# KiCad board panel.kicad_pcb (continued)
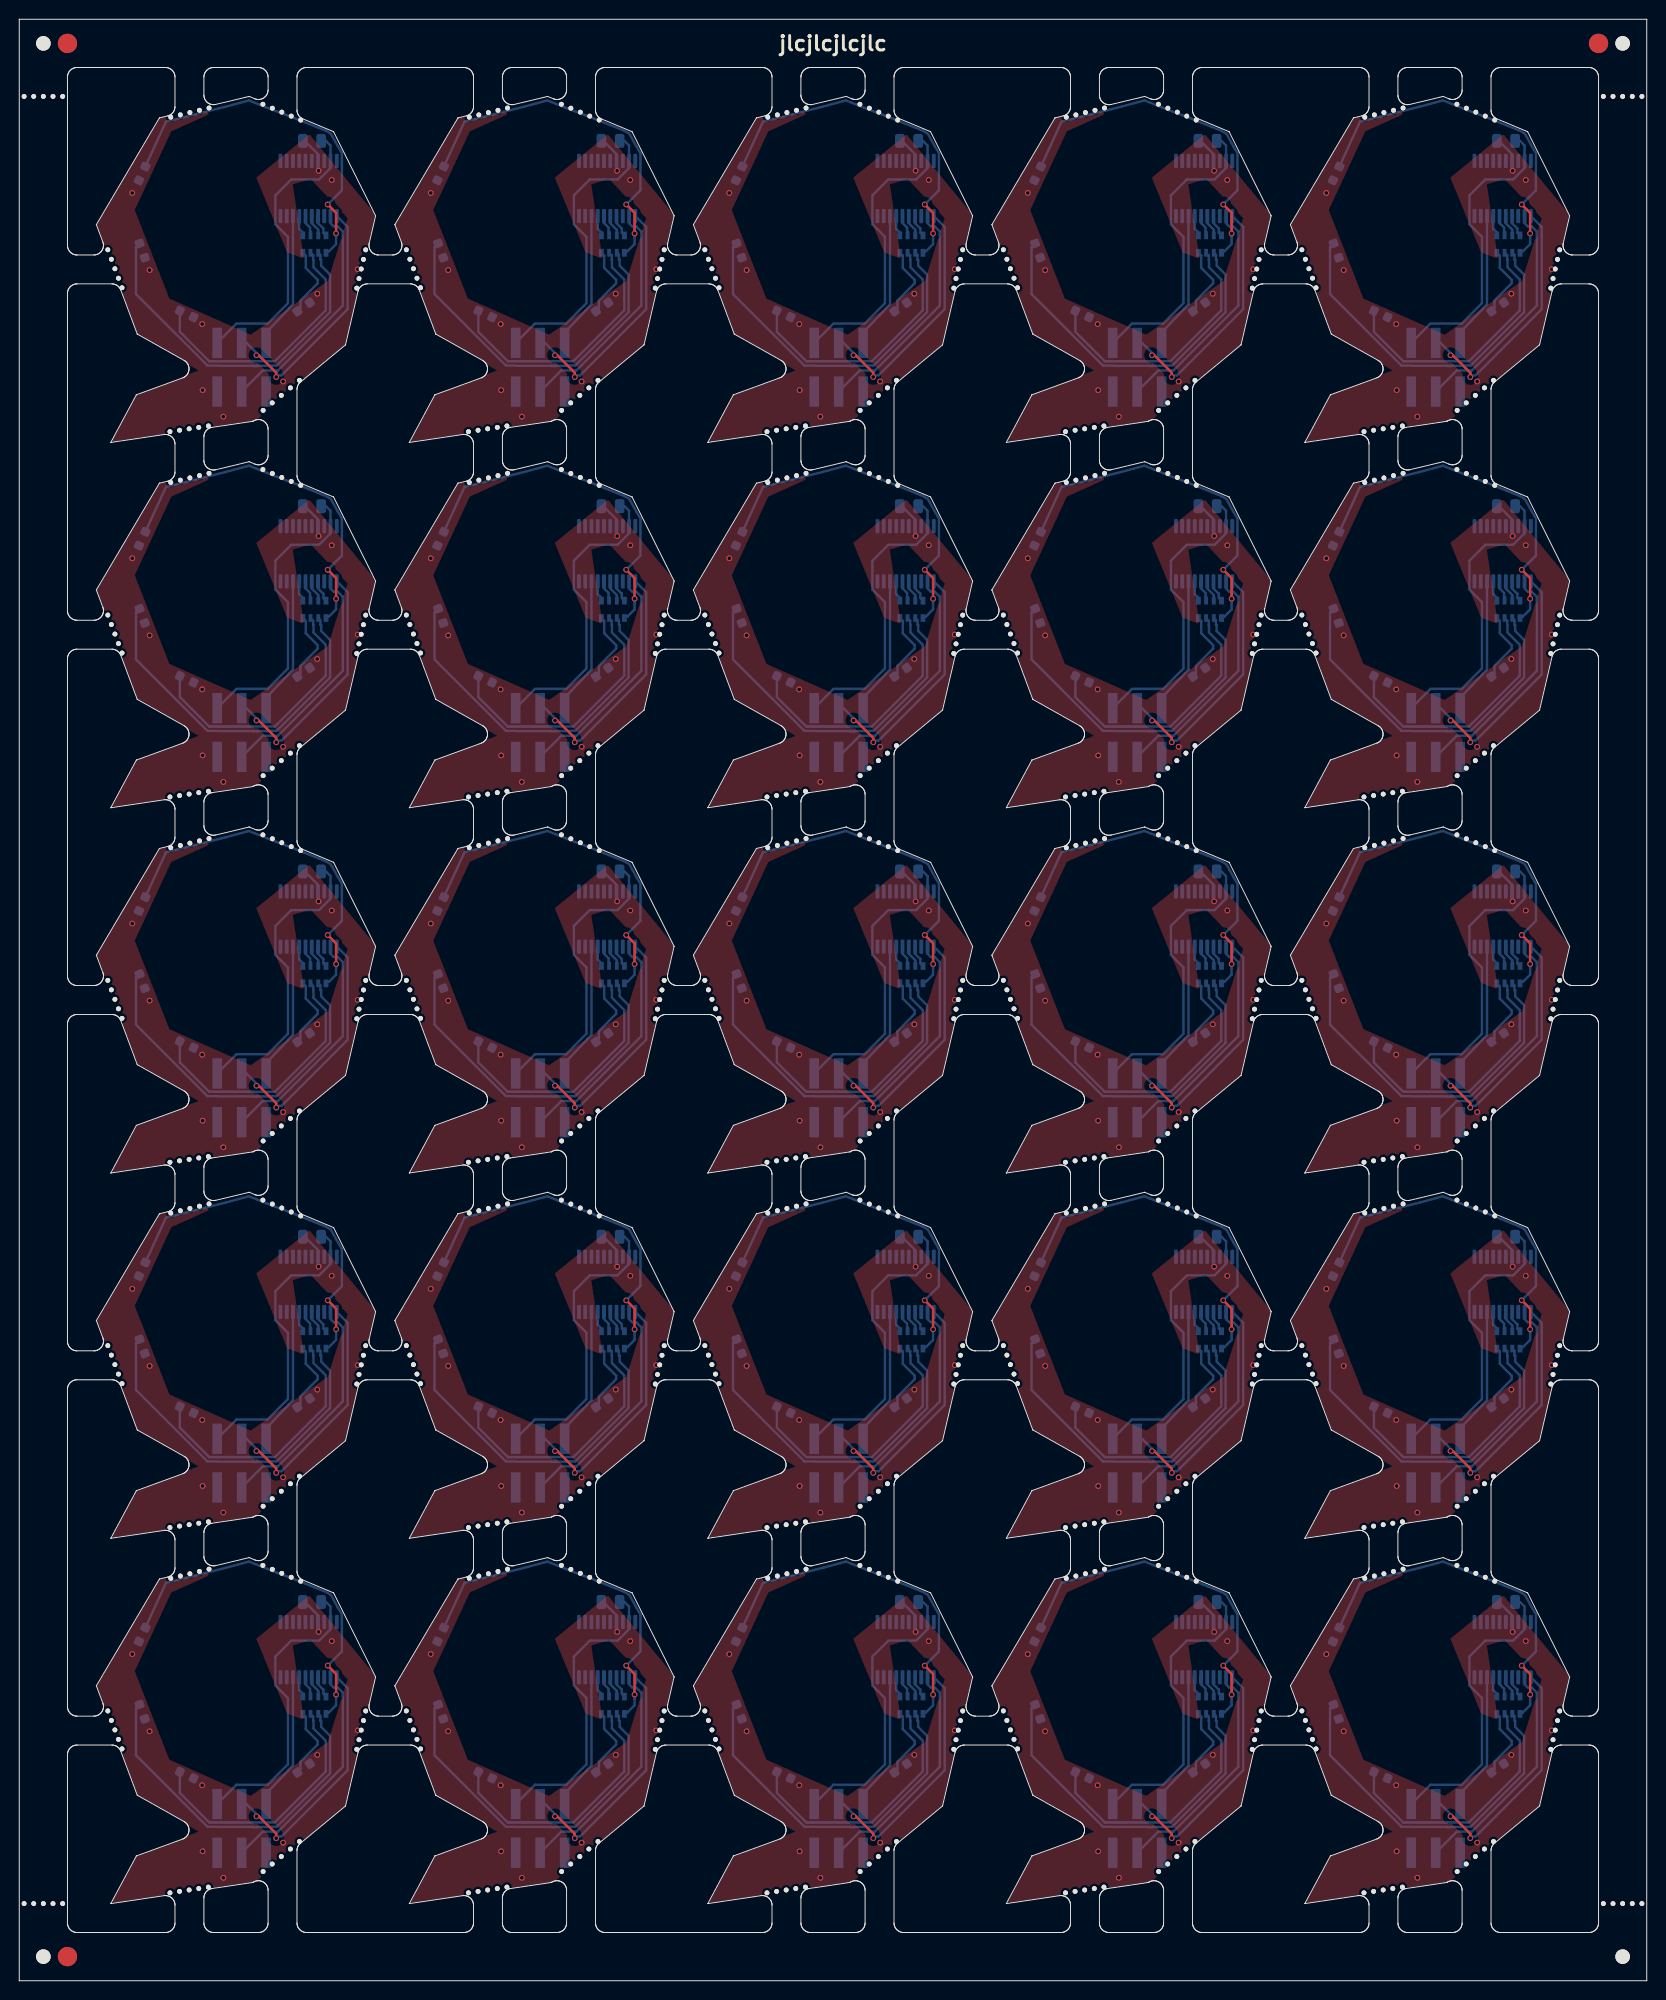
[diagram p0: board, top side]
## Placement (name value [footprint] x y rotation side) (continued)
KiKit_MB_28_5  -  [NPTH]  153.11 192.98 0 top
KiKit_MB_29_1  -  [NPTH]  143.53 161.25 0 top
KiKit_MB_29_2  -  [NPTH]  142.54 161.11 0 top
KiKit_MB_29_3  -  [NPTH]  141.54 160.96 0 top
KiKit_MB_29_4  -  [NPTH]  140.54 160.81 0 top
KiKit_MB_29_5  -  [NPTH]  139.54 160.66 0 top
KiKit_MB_30_1  -  [NPTH]  152.99 165.98 0 top
KiKit_MB_30_2  -  [NPTH]  152.04 165.2 0 top
KiKit_MB_30_3  -  [NPTH]  151.1 164.43 0 top
KiKit_MB_30_4  -  [NPTH]  150.16 163.65 0 top
KiKit_MB_30_5  -  [NPTH]  149.22 162.87 0 top
KiKit_MB_31_1  -  [NPTH]  10.66 137.7 0 top
KiKit_MB_31_2  -  [NPTH]  10.29 138.69 0 top
KiKit_MB_31_3  -  [NPTH]  9.92 139.67 0 top
KiKit_MB_31_4  -  [NPTH]  9.56 140.66 0 top
KiKit_MB_31_5  -  [NPTH]  9.19 141.64 0 top
KiKit_MB_32_1  -  [NPTH]  35.95 141.63 0 top
KiKit_MB_32_2  -  [NPTH]  35.72 140.64 0 top
KiKit_MB_32_3  -  [NPTH]  35.49 139.65 0 top
KiKit_MB_32_4  -  [NPTH]  35.25 138.65 0 top
KiKit_MB_32_5  -  [NPTH]  35.02 137.66 0 top
KiKit_MB_33_1  -  [NPTH]  15.72 155.39 0 top
KiKit_MB_33_2  -  [NPTH]  16.71 155.63 0 top
KiKit_MB_33_3  -  [NPTH]  17.71 155.87 0 top
KiKit_MB_33_4  -  [NPTH]  18.7 156.11 0 top
KiKit_MB_33_5  -  [NPTH]  19.69 156.34 0 top
KiKit_MB_34_1  -  [NPTH]  25.28 156.73 0 top
KiKit_MB_34_2  -  [NPTH]  26.26 156.32 0 top
KiKit_MB_34_3  -  [NPTH]  27.24 155.91 0 top
KiKit_MB_34_4  -  [NPTH]  28.22 155.5 0 top
KiKit_MB_34_5  -  [NPTH]  29.2 155.09 0 top
KiKit_MB_35_1  -  [NPTH]  19.62 123.37 0 top
KiKit_MB_35_2  -  [NPTH]  18.63 123.22 0 top
KiKit_MB_35_3  -  [NPTH]  17.63 123.07 0 top
KiKit_MB_35_4  -  [NPTH]  16.63 122.92 0 top
KiKit_MB_35_5  -  [NPTH]  15.64 122.77 0 top
KiKit_MB_36_1  -  [NPTH]  29.08 128.1 0 top
KiKit_MB_36_2  -  [NPTH]  28.13 127.32 0 top
KiKit_MB_36_3  -  [NPTH]  27.19 126.54 0 top
KiKit_MB_36_4  -  [NPTH]  26.25 125.76 0 top
KiKit_MB_36_5  -  [NPTH]  25.31 124.98 0 top
KiKit_MB_37_1  -  [NPTH]  41.64 137.7 0 top
KiKit_MB_37_2  -  [NPTH]  41.27 138.69 0 top
KiKit_MB_37_3  -  [NPTH]  40.9 139.67 0 top
KiKit_MB_37_4  -  [NPTH]  40.53 140.66 0 top
KiKit_MB_37_5  -  [NPTH]  40.17 141.64 0 top
KiKit_MB_38_1  -  [NPTH]  66.93 141.63 0 top
KiKit_MB_38_2  -  [NPTH]  66.69 140.64 0 top
KiKit_MB_38_3  -  [NPTH]  66.46 139.65 0 top
KiKit_MB_38_4  -  [NPTH]  66.23 138.65 0 top
KiKit_MB_38_5  -  [NPTH]  66 137.66 0 top
KiKit_MB_39_1  -  [NPTH]  46.7 155.39 0 top
KiKit_MB_39_2  -  [NPTH]  47.69 155.63 0 top
KiKit_MB_39_3  -  [NPTH]  48.68 155.87 0 top
KiKit_MB_39_4  -  [NPTH]  49.68 156.11 0 top
KiKit_MB_39_5  -  [NPTH]  50.67 156.34 0 top
KiKit_MB_40_1  -  [NPTH]  56.26 156.73 0 top
KiKit_MB_40_2  -  [NPTH]  57.24 156.32 0 top
KiKit_MB_40_3  -  [NPTH]  58.22 155.91 0 top
KiKit_MB_40_4  -  [NPTH]  59.2 155.5 0 top
KiKit_MB_40_5  -  [NPTH]  60.18 155.09 0 top
KiKit_MB_41_1  -  [NPTH]  50.6 123.37 0 top
KiKit_MB_41_2  -  [NPTH]  49.6 123.22 0 top
KiKit_MB_41_3  -  [NPTH]  48.61 123.07 0 top
KiKit_MB_41_4  -  [NPTH]  47.61 122.92 0 top
KiKit_MB_41_5  -  [NPTH]  46.61 122.77 0 top
KiKit_MB_42_1  -  [NPTH]  60.05 128.1 0 top
KiKit_MB_42_2  -  [NPTH]  59.11 127.32 0 top
KiKit_MB_42_3  -  [NPTH]  58.17 126.54 0 top
KiKit_MB_42_4  -  [NPTH]  57.23 125.76 0 top
KiKit_MB_42_5  -  [NPTH]  56.28 124.98 0 top
KiKit_MB_43_1  -  [NPTH]  72.62 137.7 0 top
KiKit_MB_43_2  -  [NPTH]  72.25 138.69 0 top
KiKit_MB_43_3  -  [NPTH]  71.88 139.67 0 top
KiKit_MB_43_4  -  [NPTH]  71.51 140.66 0 top
KiKit_MB_43_5  -  [NPTH]  71.14 141.64 0 top
KiKit_MB_44_1  -  [NPTH]  97.9 141.63 0 top
KiKit_MB_44_2  -  [NPTH]  97.67 140.64 0 top
KiKit_MB_44_3  -  [NPTH]  97.44 139.65 0 top
KiKit_MB_44_4  -  [NPTH]  97.21 138.65 0 top
KiKit_MB_44_5  -  [NPTH]  96.98 137.66 0 top
KiKit_MB_45_1  -  [NPTH]  77.67 155.39 0 top
KiKit_MB_45_2  -  [NPTH]  78.67 155.63 0 top
KiKit_MB_45_3  -  [NPTH]  79.66 155.87 0 top
KiKit_MB_45_4  -  [NPTH]  80.65 156.11 0 top
KiKit_MB_45_5  -  [NPTH]  81.65 156.34 0 top
KiKit_MB_46_1  -  [NPTH]  87.23 156.73 0 top
KiKit_MB_46_2  -  [NPTH]  88.22 156.32 0 top
KiKit_MB_46_3  -  [NPTH]  89.2 155.91 0 top
KiKit_MB_46_4  -  [NPTH]  90.18 155.5 0 top
KiKit_MB_46_5  -  [NPTH]  91.16 155.09 0 top
KiKit_MB_47_1  -  [NPTH]  81.58 123.37 0 top
KiKit_MB_47_2  -  [NPTH]  80.58 123.22 0 top
KiKit_MB_47_3  -  [NPTH]  79.58 123.07 0 top
KiKit_MB_47_4  -  [NPTH]  78.59 122.92 0 top
KiKit_MB_47_5  -  [NPTH]  77.59 122.77 0 top
KiKit_MB_48_1  -  [NPTH]  91.03 128.1 0 top
KiKit_MB_48_2  -  [NPTH]  90.09 127.32 0 top
KiKit_MB_48_3  -  [NPTH]  89.15 126.54 0 top
KiKit_MB_48_4  -  [NPTH]  88.2 125.76 0 top
KiKit_MB_48_5  -  [NPTH]  87.26 124.98 0 top
KiKit_MB_49_1  -  [NPTH]  103.59 137.7 0 top
KiKit_MB_49_2  -  [NPTH]  103.23 138.69 0 top
KiKit_MB_49_3  -  [NPTH]  102.86 139.67 0 top
KiKit_MB_49_4  -  [NPTH]  102.49 140.66 0 top
KiKit_MB_49_5  -  [NPTH]  102.12 141.64 0 top
KiKit_MB_50_1  -  [NPTH]  128.88 141.63 0 top
KiKit_MB_50_2  -  [NPTH]  128.65 140.64 0 top
KiKit_MB_50_3  -  [NPTH]  128.42 139.65 0 top
KiKit_MB_50_4  -  [NPTH]  128.19 138.65 0 top
KiKit_MB_50_5  -  [NPTH]  127.95 137.66 0 top
KiKit_MB_51_1  -  [NPTH]  108.65 155.39 0 top
KiKit_MB_51_2  -  [NPTH]  109.64 155.63 0 top
KiKit_MB_51_3  -  [NPTH]  110.64 155.87 0 top
KiKit_MB_51_4  -  [NPTH]  111.63 156.11 0 top
KiKit_MB_51_5  -  [NPTH]  112.62 156.34 0 top
KiKit_MB_52_1  -  [NPTH]  118.21 156.73 0 top
KiKit_MB_52_2  -  [NPTH]  119.19 156.32 0 top
KiKit_MB_52_3  -  [NPTH]  120.17 155.91 0 top
KiKit_MB_52_4  -  [NPTH]  121.15 155.5 0 top
KiKit_MB_52_5  -  [NPTH]  122.13 155.09 0 top
KiKit_MB_53_1  -  [NPTH]  112.56 123.37 0 top
KiKit_MB_53_2  -  [NPTH]  111.56 123.22 0 top
KiKit_MB_53_3  -  [NPTH]  110.56 123.07 0 top
KiKit_MB_53_4  -  [NPTH]  109.56 122.92 0 top
KiKit_MB_53_5  -  [NPTH]  108.57 122.77 0 top
KiKit_MB_54_1  -  [NPTH]  122.01 128.1 0 top
KiKit_MB_54_2  -  [NPTH]  121.07 127.32 0 top
KiKit_MB_54_3  -  [NPTH]  120.12 126.54 0 top
KiKit_MB_54_4  -  [NPTH]  119.18 125.76 0 top
KiKit_MB_54_5  -  [NPTH]  118.24 124.98 0 top
KiKit_MB_55_1  -  [NPTH]  134.57 137.7 0 top
KiKit_MB_55_2  -  [NPTH]  134.2 138.69 0 top
KiKit_MB_55_3  -  [NPTH]  133.83 139.67 0 top
KiKit_MB_55_4  -  [NPTH]  133.47 140.66 0 top
KiKit_MB_55_5  -  [NPTH]  133.1 141.64 0 top
KiKit_MB_56_1  -  [NPTH]  159.86 141.63 0 top
KiKit_MB_56_2  -  [NPTH]  159.63 140.64 0 top
KiKit_MB_56_3  -  [NPTH]  159.4 139.65 0 top
KiKit_MB_56_4  -  [NPTH]  159.16 138.65 0 top
KiKit_MB_56_5  -  [NPTH]  158.93 137.66 0 top
KiKit_MB_57_1  -  [NPTH]  139.63 155.39 0 top
KiKit_MB_57_2  -  [NPTH]  140.62 155.63 0 top
KiKit_MB_57_3  -  [NPTH]  141.62 155.87 0 top
KiKit_MB_57_4  -  [NPTH]  142.61 156.11 0 top
KiKit_MB_57_5  -  [NPTH]  143.6 156.34 0 top
KiKit_MB_58_1  -  [NPTH]  149.19 156.73 0 top
KiKit_MB_58_2  -  [NPTH]  150.17 156.32 0 top
KiKit_MB_58_3  -  [NPTH]  151.15 155.91 0 top
KiKit_MB_58_4  -  [NPTH]  152.13 155.5 0 top
KiKit_MB_58_5  -  [NPTH]  153.11 155.09 0 top
KiKit_MB_59_1  -  [NPTH]  143.53 123.37 0 top
KiKit_MB_59_2  -  [NPTH]  142.54 123.22 0 top
KiKit_MB_59_3  -  [NPTH]  141.54 123.07 0 top
KiKit_MB_59_4  -  [NPTH]  140.54 122.92 0 top
KiKit_MB_59_5  -  [NPTH]  139.54 122.77 0 top
KiKit_MB_60_1  -  [NPTH]  152.99 128.1 0 top
KiKit_MB_60_2  -  [NPTH]  152.04 127.32 0 top
KiKit_MB_60_3  -  [NPTH]  151.1 126.54 0 top
KiKit_MB_60_4  -  [NPTH]  150.16 125.76 0 top
KiKit_MB_60_5  -  [NPTH]  149.22 124.98 0 top
KiKit_MB_61_1  -  [NPTH]  10.66 99.82 0 top
KiKit_MB_61_2  -  [NPTH]  10.29 100.8 0 top
KiKit_MB_61_3  -  [NPTH]  9.92 101.79 0 top
KiKit_MB_61_4  -  [NPTH]  9.56 102.77 0 top
KiKit_MB_61_5  -  [NPTH]  9.19 103.75 0 top
KiKit_MB_62_1  -  [NPTH]  35.95 103.75 0 top
KiKit_MB_62_2  -  [NPTH]  35.72 102.75 0 top
KiKit_MB_62_3  -  [NPTH]  35.49 101.76 0 top
KiKit_MB_62_4  -  [NPTH]  35.25 100.77 0 top
KiKit_MB_62_5  -  [NPTH]  35.02 99.77 0 top
KiKit_MB_63_1  -  [NPTH]  15.72 117.51 0 top
KiKit_MB_63_2  -  [NPTH]  16.71 117.74 0 top
KiKit_MB_63_3  -  [NPTH]  17.71 117.98 0 top
KiKit_MB_63_4  -  [NPTH]  18.7 118.22 0 top
KiKit_MB_63_5  -  [NPTH]  19.69 118.46 0 top
KiKit_MB_64_1  -  [NPTH]  25.28 118.85 0 top
KiKit_MB_64_2  -  [NPTH]  26.26 118.44 0 top
KiKit_MB_64_3  -  [NPTH]  27.24 118.03 0 top
KiKit_MB_64_4  -  [NPTH]  28.22 117.62 0 top
KiKit_MB_64_5  -  [NPTH]  29.2 117.21 0 top
KiKit_MB_65_1  -  [NPTH]  19.62 85.48 0 top
KiKit_MB_65_2  -  [NPTH]  18.63 85.33 0 top
KiKit_MB_65_3  -  [NPTH]  17.63 85.18 0 top
KiKit_MB_65_4  -  [NPTH]  16.63 85.04 0 top
KiKit_MB_65_5  -  [NPTH]  15.64 84.89 0 top
KiKit_MB_66_1  -  [NPTH]  29.08 90.21 0 top
KiKit_MB_66_2  -  [NPTH]  28.13 89.43 0 top
KiKit_MB_66_3  -  [NPTH]  27.19 88.65 0 top
KiKit_MB_66_4  -  [NPTH]  26.25 87.87 0 top
KiKit_MB_66_5  -  [NPTH]  25.31 87.1 0 top
KiKit_MB_67_1  -  [NPTH]  41.64 99.82 0 top
KiKit_MB_67_2  -  [NPTH]  41.27 100.8 0 top
KiKit_MB_67_3  -  [NPTH]  40.9 101.79 0 top
KiKit_MB_67_4  -  [NPTH]  40.53 102.77 0 top
KiKit_MB_67_5  -  [NPTH]  40.17 103.75 0 top
KiKit_MB_68_1  -  [NPTH]  66.93 103.75 0 top
KiKit_MB_68_2  -  [NPTH]  66.69 102.75 0 top
KiKit_MB_68_3  -  [NPTH]  66.46 101.76 0 top
KiKit_MB_68_4  -  [NPTH]  66.23 100.77 0 top
KiKit_MB_68_5  -  [NPTH]  66 99.77 0 top
KiKit_MB_69_1  -  [NPTH]  46.7 117.51 0 top
KiKit_MB_69_2  -  [NPTH]  47.69 117.74 0 top
KiKit_MB_69_3  -  [NPTH]  48.68 117.98 0 top
KiKit_MB_69_4  -  [NPTH]  49.68 118.22 0 top
KiKit_MB_69_5  -  [NPTH]  50.67 118.46 0 top
KiKit_MB_70_1  -  [NPTH]  56.26 118.85 0 top
KiKit_MB_70_2  -  [NPTH]  57.24 118.44 0 top
KiKit_MB_70_3  -  [NPTH]  58.22 118.03 0 top
KiKit_MB_70_4  -  [NPTH]  59.2 117.62 0 top
KiKit_MB_70_5  -  [NPTH]  60.18 117.21 0 top
KiKit_MB_71_1  -  [NPTH]  50.6 85.48 0 top
KiKit_MB_71_2  -  [NPTH]  49.6 85.33 0 top
KiKit_MB_71_3  -  [NPTH]  48.61 85.18 0 top
KiKit_MB_71_4  -  [NPTH]  47.61 85.04 0 top
KiKit_MB_71_5  -  [NPTH]  46.61 84.89 0 top
KiKit_MB_72_1  -  [NPTH]  60.05 90.21 0 top
KiKit_MB_72_2  -  [NPTH]  59.11 89.43 0 top
KiKit_MB_72_3  -  [NPTH]  58.17 88.65 0 top
KiKit_MB_72_4  -  [NPTH]  57.23 87.87 0 top
KiKit_MB_72_5  -  [NPTH]  56.28 87.1 0 top
KiKit_MB_73_1  -  [NPTH]  72.62 99.82 0 top
KiKit_MB_73_2  -  [NPTH]  72.25 100.8 0 top
KiKit_MB_73_3  -  [NPTH]  71.88 101.79 0 top
KiKit_MB_73_4  -  [NPTH]  71.51 102.77 0 top
KiKit_MB_73_5  -  [NPTH]  71.14 103.75 0 top
KiKit_MB_74_1  -  [NPTH]  97.9 103.75 0 top
KiKit_MB_74_2  -  [NPTH]  97.67 102.75 0 top
KiKit_MB_74_3  -  [NPTH]  97.44 101.76 0 top
KiKit_MB_74_4  -  [NPTH]  97.21 100.77 0 top
KiKit_MB_74_5  -  [NPTH]  96.98 99.77 0 top
KiKit_MB_75_1  -  [NPTH]  77.67 117.51 0 top
KiKit_MB_75_2  -  [NPTH]  78.67 117.74 0 top
KiKit_MB_75_3  -  [NPTH]  79.66 117.98 0 top
KiKit_MB_75_4  -  [NPTH]  80.65 118.22 0 top
KiKit_MB_75_5  -  [NPTH]  81.65 118.46 0 top
KiKit_MB_76_1  -  [NPTH]  87.23 118.85 0 top
KiKit_MB_76_2  -  [NPTH]  88.22 118.44 0 top
KiKit_MB_76_3  -  [NPTH]  89.2 118.03 0 top
KiKit_MB_76_4  -  [NPTH]  90.18 117.62 0 top
KiKit_MB_76_5  -  [NPTH]  91.16 117.21 0 top
KiKit_MB_77_1  -  [NPTH]  81.58 85.48 0 top
KiKit_MB_77_2  -  [NPTH]  80.58 85.33 0 top
KiKit_MB_77_3  -  [NPTH]  79.58 85.18 0 top
KiKit_MB_77_4  -  [NPTH]  78.59 85.04 0 top
KiKit_MB_77_5  -  [NPTH]  77.59 84.89 0 top
KiKit_MB_78_1  -  [NPTH]  91.03 90.21 0 top
KiKit_MB_78_2  -  [NPTH]  90.09 89.43 0 top
KiKit_MB_78_3  -  [NPTH]  89.15 88.65 0 top
KiKit_MB_78_4  -  [NPTH]  88.2 87.87 0 top
KiKit_MB_78_5  -  [NPTH]  87.26 87.1 0 top
KiKit_MB_79_1  -  [NPTH]  103.59 99.82 0 top
KiKit_MB_79_2  -  [NPTH]  103.23 100.8 0 top
KiKit_MB_79_3  -  [NPTH]  102.86 101.79 0 top
KiKit_MB_79_4  -  [NPTH]  102.49 102.77 0 top
KiKit_MB_79_5  -  [NPTH]  102.12 103.75 0 top
KiKit_MB_80_1  -  [NPTH]  128.88 103.75 0 top
KiKit_MB_80_2  -  [NPTH]  128.65 102.75 0 top
KiKit_MB_80_3  -  [NPTH]  128.42 101.76 0 top
KiKit_MB_80_4  -  [NPTH]  128.19 100.77 0 top
KiKit_MB_80_5  -  [NPTH]  127.95 99.77 0 top
KiKit_MB_81_1  -  [NPTH]  108.65 117.51 0 top
KiKit_MB_81_2  -  [NPTH]  109.64 117.74 0 top
KiKit_MB_81_3  -  [NPTH]  110.64 117.98 0 top
KiKit_MB_81_4  -  [NPTH]  111.63 118.22 0 top
KiKit_MB_81_5  -  [NPTH]  112.62 118.46 0 top
KiKit_MB_82_1  -  [NPTH]  118.21 118.85 0 top
KiKit_MB_82_2  -  [NPTH]  119.19 118.44 0 top
KiKit_MB_82_3  -  [NPTH]  120.17 118.03 0 top
KiKit_MB_82_4  -  [NPTH]  121.15 117.62 0 top
KiKit_MB_82_5  -  [NPTH]  122.13 117.21 0 top
KiKit_MB_83_1  -  [NPTH]  112.56 85.48 0 top
KiKit_MB_83_2  -  [NPTH]  111.56 85.33 0 top
KiKit_MB_83_3  -  [NPTH]  110.56 85.18 0 top
KiKit_MB_83_4  -  [NPTH]  109.56 85.04 0 top
KiKit_MB_83_5  -  [NPTH]  108.57 84.89 0 top
KiKit_MB_84_1  -  [NPTH]  122.01 90.21 0 top
KiKit_MB_84_2  -  [NPTH]  121.07 89.43 0 top
KiKit_MB_84_3  -  [NPTH]  120.12 88.65 0 top
KiKit_MB_84_4  -  [NPTH]  119.18 87.87 0 top
KiKit_MB_84_5  -  [NPTH]  118.24 87.1 0 top
KiKit_MB_85_1  -  [NPTH]  134.57 99.82 0 top
KiKit_MB_85_2  -  [NPTH]  134.2 100.8 0 top
KiKit_MB_85_3  -  [NPTH]  133.83 101.79 0 top
KiKit_MB_85_4  -  [NPTH]  133.47 102.77 0 top
KiKit_MB_85_5  -  [NPTH]  133.1 103.75 0 top
KiKit_MB_86_1  -  [NPTH]  159.86 103.75 0 top
KiKit_MB_86_2  -  [NPTH]  159.63 102.75 0 top
KiKit_MB_86_3  -  [NPTH]  159.4 101.76 0 top
KiKit_MB_86_4  -  [NPTH]  159.16 100.77 0 top
KiKit_MB_86_5  -  [NPTH]  158.93 99.77 0 top
KiKit_MB_87_1  -  [NPTH]  139.63 117.51 0 top
KiKit_MB_87_2  -  [NPTH]  140.62 117.74 0 top
KiKit_MB_87_3  -  [NPTH]  141.62 117.98 0 top
KiKit_MB_87_4  -  [NPTH]  142.61 118.22 0 top
KiKit_MB_87_5  -  [NPTH]  143.6 118.46 0 top
KiKit_MB_88_1  -  [NPTH]  149.19 118.85 0 top
KiKit_MB_88_2  -  [NPTH]  150.17 118.44 0 top
KiKit_MB_88_3  -  [NPTH]  151.15 118.03 0 top
KiKit_MB_88_4  -  [NPTH]  152.13 117.62 0 top
KiKit_MB_88_5  -  [NPTH]  153.11 117.21 0 top
KiKit_MB_89_1  -  [NPTH]  143.53 85.48 0 top
KiKit_MB_89_2  -  [NPTH]  142.54 85.33 0 top
KiKit_MB_89_3  -  [NPTH]  141.54 85.18 0 top
KiKit_MB_89_4  -  [NPTH]  140.54 85.04 0 top
KiKit_MB_89_5  -  [NPTH]  139.54 84.89 0 top
KiKit_MB_90_1  -  [NPTH]  152.99 90.21 0 top
KiKit_MB_90_2  -  [NPTH]  152.04 89.43 0 top
KiKit_MB_90_3  -  [NPTH]  151.1 88.65 0 top
KiKit_MB_90_4  -  [NPTH]  150.16 87.87 0 top
KiKit_MB_90_5  -  [NPTH]  149.22 87.1 0 top
KiKit_MB_91_1  -  [NPTH]  10.66 61.93 0 top
KiKit_MB_91_2  -  [NPTH]  10.29 62.92 0 top
KiKit_MB_91_3  -  [NPTH]  9.92 63.9 0 top
KiKit_MB_91_4  -  [NPTH]  9.56 64.88 0 top
KiKit_MB_91_5  -  [NPTH]  9.19 65.87 0 top
KiKit_MB_92_1  -  [NPTH]  35.95 65.86 0 top
KiKit_MB_92_2  -  [NPTH]  35.72 64.87 0 top
KiKit_MB_92_3  -  [NPTH]  35.49 63.87 0 top
KiKit_MB_92_4  -  [NPTH]  35.25 62.88 0 top
KiKit_MB_92_5  -  [NPTH]  35.02 61.89 0 top
KiKit_MB_93_1  -  [NPTH]  15.72 79.62 0 top
KiKit_MB_93_2  -  [NPTH]  16.71 79.86 0 top
KiKit_MB_93_3  -  [NPTH]  17.71 80.1 0 top
KiKit_MB_93_4  -  [NPTH]  18.7 80.33 0 top
KiKit_MB_93_5  -  [NPTH]  19.69 80.57 0 top
KiKit_MB_94_1  -  [NPTH]  25.28 80.96 0 top
KiKit_MB_94_2  -  [NPTH]  26.26 80.55 0 top
KiKit_MB_94_3  -  [NPTH]  27.24 80.14 0 top
KiKit_MB_94_4  -  [NPTH]  28.22 79.73 0 top
KiKit_MB_94_5  -  [NPTH]  29.2 79.32 0 top
KiKit_MB_95_1  -  [NPTH]  19.62 47.6 0 top
KiKit_MB_95_2  -  [NPTH]  18.63 47.45 0 top
KiKit_MB_95_3  -  [NPTH]  17.63 47.3 0 top
KiKit_MB_95_4  -  [NPTH]  16.63 47.15 0 top
KiKit_MB_95_5  -  [NPTH]  15.64 47 0 top
KiKit_MB_96_1  -  [NPTH]  29.08 52.32 0 top
KiKit_MB_96_2  -  [NPTH]  28.13 51.55 0 top
KiKit_MB_96_3  -  [NPTH]  27.19 50.77 0 top
KiKit_MB_96_4  -  [NPTH]  26.25 49.99 0 top
KiKit_MB_96_5  -  [NPTH]  25.31 49.21 0 top
KiKit_MB_97_1  -  [NPTH]  41.64 61.93 0 top
KiKit_MB_97_2  -  [NPTH]  41.27 62.92 0 top
KiKit_MB_97_3  -  [NPTH]  40.9 63.9 0 top
KiKit_MB_97_4  -  [NPTH]  40.53 64.88 0 top
KiKit_MB_97_5  -  [NPTH]  40.17 65.87 0 top
KiKit_MB_98_1  -  [NPTH]  66.93 65.86 0 top
KiKit_MB_98_2  -  [NPTH]  66.69 64.87 0 top
KiKit_MB_98_3  -  [NPTH]  66.46 63.87 0 top
KiKit_MB_98_4  -  [NPTH]  66.23 62.88 0 top
KiKit_MB_98_5  -  [NPTH]  66 61.89 0 top
KiKit_MB_99_1  -  [NPTH]  46.7 79.62 0 top
KiKit_MB_99_2  -  [NPTH]  47.69 79.86 0 top
KiKit_MB_99_3  -  [NPTH]  48.68 80.1 0 top
KiKit_MB_99_4  -  [NPTH]  49.68 80.33 0 top
KiKit_MB_99_5  -  [NPTH]  50.67 80.57 0 top
KiKit_MB_100_1  -  [NPTH]  56.26 80.96 0 top
KiKit_MB_100_2  -  [NPTH]  57.24 80.55 0 top
KiKit_MB_100_3  -  [NPTH]  58.22 80.14 0 top
KiKit_MB_100_4  -  [NPTH]  59.2 79.73 0 top
KiKit_MB_100_5  -  [NPTH]  60.18 79.32 0 top
KiKit_MB_101_1  -  [NPTH]  50.6 47.6 0 top
KiKit_MB_101_2  -  [NPTH]  49.6 47.45 0 top
KiKit_MB_101_3  -  [NPTH]  48.61 47.3 0 top
KiKit_MB_101_4  -  [NPTH]  47.61 47.15 0 top
KiKit_MB_101_5  -  [NPTH]  46.61 47 0 top
KiKit_MB_102_1  -  [NPTH]  60.05 52.32 0 top
KiKit_MB_102_2  -  [NPTH]  59.11 51.55 0 top
KiKit_MB_102_3  -  [NPTH]  58.17 50.77 0 top
KiKit_MB_102_4  -  [NPTH]  57.23 49.99 0 top
KiKit_MB_102_5  -  [NPTH]  56.28 49.21 0 top
KiKit_MB_103_1  -  [NPTH]  72.62 61.93 0 top
KiKit_MB_103_2  -  [NPTH]  72.25 62.92 0 top
KiKit_MB_103_3  -  [NPTH]  71.88 63.9 0 top
KiKit_MB_103_4  -  [NPTH]  71.51 64.88 0 top
KiKit_MB_103_5  -  [NPTH]  71.14 65.87 0 top
KiKit_MB_104_1  -  [NPTH]  97.9 65.86 0 top
KiKit_MB_104_2  -  [NPTH]  97.67 64.87 0 top
KiKit_MB_104_3  -  [NPTH]  97.44 63.87 0 top
KiKit_MB_104_4  -  [NPTH]  97.21 62.88 0 top
KiKit_MB_104_5  -  [NPTH]  96.98 61.89 0 top
KiKit_MB_105_1  -  [NPTH]  77.67 79.62 0 top
KiKit_MB_105_2  -  [NPTH]  78.67 79.86 0 top
KiKit_MB_105_3  -  [NPTH]  79.66 80.1 0 top
KiKit_MB_105_4  -  [NPTH]  80.65 80.33 0 top
KiKit_MB_105_5  -  [NPTH]  81.65 80.57 0 top
KiKit_MB_106_1  -  [NPTH]  87.23 80.96 0 top
KiKit_MB_106_2  -  [NPTH]  88.22 80.55 0 top
KiKit_MB_106_3  -  [NPTH]  89.2 80.14 0 top
KiKit_MB_106_4  -  [NPTH]  90.18 79.73 0 top
KiKit_MB_106_5  -  [NPTH]  91.16 79.32 0 top
KiKit_MB_107_1  -  [NPTH]  81.58 47.6 0 top
KiKit_MB_107_2  -  [NPTH]  80.58 47.45 0 top
KiKit_MB_107_3  -  [NPTH]  79.58 47.3 0 top
KiKit_MB_107_4  -  [NPTH]  78.59 47.15 0 top
KiKit_MB_107_5  -  [NPTH]  77.59 47 0 top
KiKit_MB_108_1  -  [NPTH]  91.03 52.32 0 top
KiKit_MB_108_2  -  [NPTH]  90.09 51.55 0 top
KiKit_MB_108_3  -  [NPTH]  89.15 50.77 0 top
KiKit_MB_108_4  -  [NPTH]  88.2 49.99 0 top
KiKit_MB_108_5  -  [NPTH]  87.26 49.21 0 top
KiKit_MB_109_1  -  [NPTH]  103.59 61.93 0 top
KiKit_MB_109_2  -  [NPTH]  103.23 62.92 0 top
KiKit_MB_109_3  -  [NPTH]  102.86 63.9 0 top
KiKit_MB_109_4  -  [NPTH]  102.49 64.88 0 top
KiKit_MB_109_5  -  [NPTH]  102.12 65.87 0 top
KiKit_MB_110_1  -  [NPTH]  128.88 65.86 0 top
KiKit_MB_110_2  -  [NPTH]  128.65 64.87 0 top
KiKit_MB_110_3  -  [NPTH]  128.42 63.87 0 top
KiKit_MB_110_4  -  [NPTH]  128.19 62.88 0 top
KiKit_MB_110_5  -  [NPTH]  127.95 61.89 0 top
KiKit_MB_111_1  -  [NPTH]  108.65 79.62 0 top
KiKit_MB_111_2  -  [NPTH]  109.64 79.86 0 top
KiKit_MB_111_3  -  [NPTH]  110.64 80.1 0 top
KiKit_MB_111_4  -  [NPTH]  111.63 80.33 0 top
KiKit_MB_111_5  -  [NPTH]  112.62 80.57 0 top
KiKit_MB_112_1  -  [NPTH]  118.21 80.96 0 top
KiKit_MB_112_2  -  [NPTH]  119.19 80.55 0 top
KiKit_MB_112_3  -  [NPTH]  120.17 80.14 0 top
KiKit_MB_112_4  -  [NPTH]  121.15 79.73 0 top
KiKit_MB_112_5  -  [NPTH]  122.13 79.32 0 top
KiKit_MB_113_1  -  [NPTH]  112.56 47.6 0 top
KiKit_MB_113_2  -  [NPTH]  111.56 47.45 0 top
KiKit_MB_113_3  -  [NPTH]  110.56 47.3 0 top
KiKit_MB_113_4  -  [NPTH]  109.56 47.15 0 top
KiKit_MB_113_5  -  [NPTH]  108.57 47 0 top
KiKit_MB_114_1  -  [NPTH]  122.01 52.32 0 top
KiKit_MB_114_2  -  [NPTH]  121.07 51.55 0 top
KiKit_MB_114_3  -  [NPTH]  120.12 50.77 0 top
KiKit_MB_114_4  -  [NPTH]  119.18 49.99 0 top
KiKit_MB_114_5  -  [NPTH]  118.24 49.21 0 top
KiKit_MB_115_1  -  [NPTH]  134.57 61.93 0 top
KiKit_MB_115_2  -  [NPTH]  134.2 62.92 0 top
KiKit_MB_115_3  -  [NPTH]  133.83 63.9 0 top
KiKit_MB_115_4  -  [NPTH]  133.47 64.88 0 top
KiKit_MB_115_5  -  [NPTH]  133.1 65.87 0 top
KiKit_MB_116_1  -  [NPTH]  159.86 65.86 0 top
KiKit_MB_116_2  -  [NPTH]  159.63 64.87 0 top
KiKit_MB_116_3  -  [NPTH]  159.4 63.87 0 top
KiKit_MB_116_4  -  [NPTH]  159.16 62.88 0 top
KiKit_MB_116_5  -  [NPTH]  158.93 61.89 0 top
KiKit_MB_117_1  -  [NPTH]  139.63 79.62 0 top
KiKit_MB_117_2  -  [NPTH]  140.62 79.86 0 top
KiKit_MB_117_3  -  [NPTH]  141.62 80.1 0 top
KiKit_MB_117_4  -  [NPTH]  142.61 80.33 0 top
KiKit_MB_117_5  -  [NPTH]  143.6 80.57 0 top
KiKit_MB_118_1  -  [NPTH]  149.19 80.96 0 top
KiKit_MB_118_2  -  [NPTH]  150.17 80.55 0 top
KiKit_MB_118_3  -  [NPTH]  151.15 80.14 0 top
KiKit_MB_118_4  -  [NPTH]  152.13 79.73 0 top
KiKit_MB_118_5  -  [NPTH]  153.11 79.32 0 top
KiKit_MB_119_1  -  [NPTH]  143.53 47.6 0 top
KiKit_MB_119_2  -  [NPTH]  142.54 47.45 0 top
KiKit_MB_119_3  -  [NPTH]  141.54 47.3 0 top
KiKit_MB_119_4  -  [NPTH]  140.54 47.15 0 top
KiKit_MB_119_5  -  [NPTH]  139.54 47 0 top
KiKit_MB_120_1  -  [NPTH]  152.99 52.32 0 top
KiKit_MB_120_2  -  [NPTH]  152.04 51.55 0 top
KiKit_MB_120_3  -  [NPTH]  151.1 50.77 0 top
KiKit_MB_120_4  -  [NPTH]  150.16 49.99 0 top
KiKit_MB_120_5  -  [NPTH]  149.22 49.21 0 top
KiKit_MB_121_1  -  [NPTH]  10.66 24.04 0 top
KiKit_MB_121_2  -  [NPTH]  10.29 25.03 0 top
KiKit_MB_121_3  -  [NPTH]  9.92 26.01 0 top
KiKit_MB_121_4  -  [NPTH]  9.56 27 0 top
KiKit_MB_121_5  -  [NPTH]  9.19 27.98 0 top
KiKit_MB_122_1  -  [NPTH]  35.95 27.98 0 top
KiKit_MB_122_2  -  [NPTH]  35.72 26.98 0 top
KiKit_MB_122_3  -  [NPTH]  35.49 25.99 0 top
KiKit_MB_122_4  -  [NPTH]  35.25 25 0 top
KiKit_MB_122_5  -  [NPTH]  35.02 24 0 top
KiKit_MB_123_1  -  [NPTH]  15.72 41.73 0 top
KiKit_MB_123_2  -  [NPTH]  16.71 41.97 0 top
KiKit_MB_123_3  -  [NPTH]  17.71 42.21 0 top
KiKit_MB_123_4  -  [NPTH]  18.7 42.45 0 top
KiKit_MB_123_5  -  [NPTH]  19.69 42.68 0 top
KiKit_MB_124_1  -  [NPTH]  25.28 43.07 0 top
KiKit_MB_124_2  -  [NPTH]  26.26 42.66 0 top
KiKit_MB_124_3  -  [NPTH]  27.24 42.25 0 top
KiKit_MB_124_4  -  [NPTH]  28.22 41.84 0 top
KiKit_MB_124_5  -  [NPTH]  29.2 41.43 0 top
KiKit_MB_125_1  -  [NPTH]  19.62 9.71 0 top
KiKit_MB_125_2  -  [NPTH]  18.63 9.56 0 top
KiKit_MB_125_3  -  [NPTH]  17.63 9.41 0 top
KiKit_MB_125_4  -  [NPTH]  16.63 9.26 0 top
KiKit_MB_125_5  -  [NPTH]  15.64 9.12 0 top
KiKit_MB_126_1  -  [NPTH]  29.08 14.44 0 top
KiKit_MB_126_2  -  [NPTH]  28.13 13.66 0 top
KiKit_MB_126_3  -  [NPTH]  27.19 12.88 0 top
KiKit_MB_126_4  -  [NPTH]  26.25 12.1 0 top
KiKit_MB_126_5  -  [NPTH]  25.31 11.32 0 top
KiKit_MB_127_1  -  [NPTH]  41.64 24.04 0 top
KiKit_MB_127_2  -  [NPTH]  41.27 25.03 0 top
KiKit_MB_127_3  -  [NPTH]  40.9 26.01 0 top
KiKit_MB_127_4  -  [NPTH]  40.53 27 0 top
KiKit_MB_127_5  -  [NPTH]  40.17 27.98 0 top
KiKit_MB_128_1  -  [NPTH]  66.93 27.98 0 top
KiKit_MB_128_2  -  [NPTH]  66.69 26.98 0 top
KiKit_MB_128_3  -  [NPTH]  66.46 25.99 0 top
KiKit_MB_128_4  -  [NPTH]  66.23 25 0 top
KiKit_MB_128_5  -  [NPTH]  66 24 0 top
KiKit_MB_129_1  -  [NPTH]  46.7 41.73 0 top
KiKit_MB_129_2  -  [NPTH]  47.69 41.97 0 top
KiKit_MB_129_3  -  [NPTH]  48.68 42.21 0 top
KiKit_MB_129_4  -  [NPTH]  49.68 42.45 0 top
KiKit_MB_129_5  -  [NPTH]  50.67 42.68 0 top
KiKit_MB_130_1  -  [NPTH]  56.26 43.07 0 top
KiKit_MB_130_2  -  [NPTH]  57.24 42.66 0 top
KiKit_MB_130_3  -  [NPTH]  58.22 42.25 0 top
KiKit_MB_130_4  -  [NPTH]  59.2 41.84 0 top
KiKit_MB_130_5  -  [NPTH]  60.18 41.43 0 top
KiKit_MB_131_1  -  [NPTH]  50.6 9.71 0 top
KiKit_MB_131_2  -  [NPTH]  49.6 9.56 0 top
KiKit_MB_131_3  -  [NPTH]  48.61 9.41 0 top
KiKit_MB_131_4  -  [NPTH]  47.61 9.26 0 top
KiKit_MB_131_5  -  [NPTH]  46.61 9.12 0 top
KiKit_MB_132_1  -  [NPTH]  60.05 14.44 0 top
KiKit_MB_132_2  -  [NPTH]  59.11 13.66 0 top
KiKit_MB_132_3  -  [NPTH]  58.17 12.88 0 top
KiKit_MB_132_4  -  [NPTH]  57.23 12.1 0 top
KiKit_MB_132_5  -  [NPTH]  56.28 11.32 0 top
KiKit_MB_133_1  -  [NPTH]  72.62 24.04 0 top
KiKit_MB_133_2  -  [NPTH]  72.25 25.03 0 top
KiKit_MB_133_3  -  [NPTH]  71.88 26.01 0 top
KiKit_MB_133_4  -  [NPTH]  71.51 27 0 top
KiKit_MB_133_5  -  [NPTH]  71.14 27.98 0 top
KiKit_MB_134_1  -  [NPTH]  97.9 27.98 0 top
KiKit_MB_134_2  -  [NPTH]  97.67 26.98 0 top
KiKit_MB_134_3  -  [NPTH]  97.44 25.99 0 top
KiKit_MB_134_4  -  [NPTH]  97.21 25 0 top
KiKit_MB_134_5  -  [NPTH]  96.98 24 0 top
KiKit_MB_135_1  -  [NPTH]  77.67 41.73 0 top
KiKit_MB_135_2  -  [NPTH]  78.67 41.97 0 top
KiKit_MB_135_3  -  [NPTH]  79.66 42.21 0 top
KiKit_MB_135_4  -  [NPTH]  80.65 42.45 0 top
KiKit_MB_135_5  -  [NPTH]  81.65 42.68 0 top
KiKit_MB_136_1  -  [NPTH]  87.23 43.07 0 top
KiKit_MB_136_2  -  [NPTH]  88.22 42.66 0 top
KiKit_MB_136_3  -  [NPTH]  89.2 42.25 0 top
KiKit_MB_136_4  -  [NPTH]  90.18 41.84 0 top
KiKit_MB_136_5  -  [NPTH]  91.16 41.43 0 top
KiKit_MB_137_1  -  [NPTH]  81.58 9.71 0 top
KiKit_MB_137_2  -  [NPTH]  80.58 9.56 0 top
KiKit_MB_137_3  -  [NPTH]  79.58 9.41 0 top
KiKit_MB_137_4  -  [NPTH]  78.59 9.26 0 top
KiKit_MB_137_5  -  [NPTH]  77.59 9.12 0 top
KiKit_MB_138_1  -  [NPTH]  91.03 14.44 0 top
KiKit_MB_138_2  -  [NPTH]  90.09 13.66 0 top
KiKit_MB_138_3  -  [NPTH]  89.15 12.88 0 top
KiKit_MB_138_4  -  [NPTH]  88.2 12.1 0 top
KiKit_MB_138_5  -  [NPTH]  87.26 11.32 0 top
KiKit_MB_139_1  -  [NPTH]  103.59 24.04 0 top
KiKit_MB_139_2  -  [NPTH]  103.23 25.03 0 top
KiKit_MB_139_3  -  [NPTH]  102.86 26.01 0 top
KiKit_MB_139_4  -  [NPTH]  102.49 27 0 top
KiKit_MB_139_5  -  [NPTH]  102.12 27.98 0 top
KiKit_MB_140_1  -  [NPTH]  128.88 27.98 0 top
KiKit_MB_140_2  -  [NPTH]  128.65 26.98 0 top
KiKit_MB_140_3  -  [NPTH]  128.42 25.99 0 top
KiKit_MB_140_4  -  [NPTH]  128.19 25 0 top
KiKit_MB_140_5  -  [NPTH]  127.95 24 0 top
KiKit_MB_141_1  -  [NPTH]  108.65 41.73 0 top
KiKit_MB_141_2  -  [NPTH]  109.64 41.97 0 top
KiKit_MB_141_3  -  [NPTH]  110.64 42.21 0 top
KiKit_MB_141_4  -  [NPTH]  111.63 42.45 0 top
KiKit_MB_141_5  -  [NPTH]  112.62 42.68 0 top
KiKit_MB_142_1  -  [NPTH]  118.21 43.07 0 top
KiKit_MB_142_2  -  [NPTH]  119.19 42.66 0 top
KiKit_MB_142_3  -  [NPTH]  120.17 42.25 0 top
KiKit_MB_142_4  -  [NPTH]  121.15 41.84 0 top
KiKit_MB_142_5  -  [NPTH]  122.13 41.43 0 top
KiKit_MB_143_1  -  [NPTH]  112.56 9.71 0 top
KiKit_MB_143_2  -  [NPTH]  111.56 9.56 0 top
KiKit_MB_143_3  -  [NPTH]  110.56 9.41 0 top
KiKit_MB_143_4  -  [NPTH]  109.56 9.26 0 top
KiKit_MB_143_5  -  [NPTH]  108.57 9.12 0 top
KiKit_MB_144_1  -  [NPTH]  122.01 14.44 0 top
KiKit_MB_144_2  -  [NPTH]  121.07 13.66 0 top
KiKit_MB_144_3  -  [NPTH]  120.12 12.88 0 top
KiKit_MB_144_4  -  [NPTH]  119.18 12.1 0 top
KiKit_MB_144_5  -  [NPTH]  118.24 11.32 0 top
KiKit_MB_145_1  -  [NPTH]  134.57 24.04 0 top
KiKit_MB_145_2  -  [NPTH]  134.2 25.03 0 top
KiKit_MB_145_3  -  [NPTH]  133.83 26.01 0 top
KiKit_MB_145_4  -  [NPTH]  133.47 27 0 top
KiKit_MB_145_5  -  [NPTH]  133.1 27.98 0 top
KiKit_MB_146_1  -  [NPTH]  159.86 27.98 0 top
KiKit_MB_146_2  -  [NPTH]  159.63 26.98 0 top
KiKit_MB_146_3  -  [NPTH]  159.4 25.99 0 top
KiKit_MB_146_4  -  [NPTH]  159.16 25 0 top
KiKit_MB_146_5  -  [NPTH]  158.93 24 0 top
KiKit_MB_147_1  -  [NPTH]  139.63 41.73 0 top
KiKit_MB_147_2  -  [NPTH]  140.62 41.97 0 top
KiKit_MB_147_3  -  [NPTH]  141.62 42.21 0 top
KiKit_MB_147_4  -  [NPTH]  142.61 42.45 0 top
KiKit_MB_147_5  -  [NPTH]  143.6 42.68 0 top
KiKit_MB_148_1  -  [NPTH]  149.19 43.07 0 top
KiKit_MB_148_2  -  [NPTH]  150.17 42.66 0 top
KiKit_MB_148_3  -  [NPTH]  151.15 42.25 0 top
KiKit_MB_148_4  -  [NPTH]  152.13 41.84 0 top
KiKit_MB_148_5  -  [NPTH]  153.11 41.43 0 top
KiKit_MB_149_1  -  [NPTH]  143.53 9.71 0 top
KiKit_MB_149_2  -  [NPTH]  142.54 9.56 0 top
KiKit_MB_149_3  -  [NPTH]  141.54 9.41 0 top
KiKit_MB_149_4  -  [NPTH]  140.54 9.26 0 top
KiKit_MB_149_5  -  [NPTH]  139.54 9.12 0 top
KiKit_MB_150_1  -  [NPTH]  152.99 14.44 0 top
KiKit_MB_150_2  -  [NPTH]  152.04 13.66 0 top
KiKit_MB_150_3  -  [NPTH]  151.1 12.88 0 top
KiKit_MB_150_4  -  [NPTH]  150.16 12.1 0 top
KiKit_MB_150_5  -  [NPTH]  149.22 11.32 0 top
KiKit_MB_151_2  -  [NPTH]  0.5 195.43 0 top
KiKit_MB_151_3  -  [NPTH]  1.5 195.43 0 top
KiKit_MB_151_4  -  [NPTH]  2.5 195.43 0 top
KiKit_MB_151_5  -  [NPTH]  3.5 195.43 0 top
KiKit_MB_151_6  -  [NPTH]  4.5 195.43 0 top
KiKit_MB_152_2  -  [NPTH]  0.5 8 0 top
KiKit_MB_152_3  -  [NPTH]  1.5 8 0 top
KiKit_MB_152_4  -  [NPTH]  2.5 8 0 top
KiKit_MB_152_5  -  [NPTH]  3.5 8 0 top
KiKit_MB_152_6  -  [NPTH]  4.5 8 0 top
KiKit_MB_153_2  -  [NPTH]  164.39 195.43 0 top
KiKit_MB_153_3  -  [NPTH]  165.39 195.43 0 top
KiKit_MB_153_4  -  [NPTH]  166.39 195.43 0 top
KiKit_MB_153_5  -  [NPTH]  167.39 195.43 0 top
KiKit_MB_153_6  -  [NPTH]  168.39 195.43 0 top
KiKit_MB_154_2  -  [NPTH]  164.39 8 0 top
KiKit_MB_154_3  -  [NPTH]  165.39 8 0 top
KiKit_MB_154_4  -  [NPTH]  166.39 8 0 top
KiKit_MB_154_5  -  [NPTH]  167.39 8 0 top
KiKit_MB_154_6  -  [NPTH]  168.39 8 0 top
KiKit_TO_1  -  [NPTH#2]  2.5 200.93 0 top
KiKit_TO_2  -  [NPTH#2]  166.39 200.93 0 top
KiKit_TO_3  -  [NPTH#2]  2.5 2.5 0 top
KiKit_TO_4  -  [NPTH#2]  166.39 2.5 0 top
RN1  330  [R_Array_Convex_4x0603]  92.58 104.35 90 bottom
RN1#2  330  [R_Array_Convex_4x0603]  92.58 66.46 90 bottom
RN1#3  330  [R_Array_Convex_4x0603]  30.63 66.46 90 bottom
RN1#4  330  [R_Array_Convex_4x0603]  61.6 28.57 90 bottom
RN1#5  330  [R_Array_Convex_4x0603]  92.58 28.57 90 bottom
RN1#6  330  [R_Array_Convex_4x0603]  30.63 142.23 90 bottom
RN1#7  330  [R_Array_Convex_4x0603]  123.56 180.12 90 bottom
RN1#8  330  [R_Array_Convex_4x0603]  123.56 104.35 90 bottom
RN1#9  330  [R_Array_Convex_4x0603]  154.54 142.23 90 bottom
RN1#10  330  [R_Array_Convex_4x0603]  61.6 180.12 90 bottom
RN1#11  330  [R_Array_Convex_4x0603]  92.58 142.23 90 bottom
RN1#12  330  [R_Array_Convex_4x0603]  92.58 180.12 90 bottom
RN1#13  330  [R_Array_Convex_4x0603]  154.54 104.35 90 bottom
RN1#14  330  [R_Array_Convex_4x0603]  61.6 104.35 90 bottom
RN1#15  330  [R_Array_Convex_4x0603]  123.56 66.46 90 bottom
RN1#16  330  [R_Array_Convex_4x0603]  154.54 66.46 90 bottom
RN1#17  330  [R_Array_Convex_4x0603]  123.56 142.23 90 bottom
RN1#18  330  [R_Array_Convex_4x0603]  61.6 66.46 90 bottom
RN1#19  330  [R_Array_Convex_4x0603]  154.54 28.57 90 bottom
RN1#20  330  [R_Array_Convex_4x0603]  154.54 180.12 90 bottom
RN1#21  330  [R_Array_Convex_4x0603]  30.63 28.57 90 bottom
RN1#22  330  [R_Array_Convex_4x0603]  61.6 142.23 90 bottom
RN1#23  330  [R_Array_Convex_4x0603]  123.56 28.57 90 bottom
RN1#24  330  [R_Array_Convex_4x0603]  30.63 104.35 90 bottom
RN1#25  330  [R_Array_Convex_4x0603]  30.63 180.12 90 bottom
U1  CH32V003FxPx  [TSSOP-20_4.4x6.5mm_P0.65mm]  61 185.88 270 bottom
U1#2  CH32V003FxPx  [TSSOP-20_4.4x6.5mm_P0.65mm]  153.94 34.34 270 bottom
U1#3  CH32V003FxPx  [TSSOP-20_4.4x6.5mm_P0.65mm]  30.03 34.34 270 bottom
U1#4  CH32V003FxPx  [TSSOP-20_4.4x6.5mm_P0.65mm]  122.96 147.99 270 bottom
U1#5  CH32V003FxPx  [TSSOP-20_4.4x6.5mm_P0.65mm]  30.03 72.22 270 bottom
U1#6  CH32V003FxPx  [TSSOP-20_4.4x6.5mm_P0.65mm]  122.96 34.34 270 bottom
U1#7  CH32V003FxPx  [TSSOP-20_4.4x6.5mm_P0.65mm]  122.96 72.22 270 bottom
U1#8  CH32V003FxPx  [TSSOP-20_4.4x6.5mm_P0.65mm]  91.98 34.34 270 bottom
U1#9  CH32V003FxPx  [TSSOP-20_4.4x6.5mm_P0.65mm]  30.03 110.11 270 bottom
U1#10  CH32V003FxPx  [TSSOP-20_4.4x6.5mm_P0.65mm]  91.98 185.88 270 bottom
U1#11  CH32V003FxPx  [TSSOP-20_4.4x6.5mm_P0.65mm]  91.98 147.99 270 bottom
U1#12  CH32V003FxPx  [TSSOP-20_4.4x6.5mm_P0.65mm]  122.96 110.11 270 bottom
U1#13  CH32V003FxPx  [TSSOP-20_4.4x6.5mm_P0.65mm]  30.03 185.88 270 bottom
U1#14  CH32V003FxPx  [TSSOP-20_4.4x6.5mm_P0.65mm]  30.03 147.99 270 bottom
U1#15  CH32V003FxPx  [TSSOP-20_4.4x6.5mm_P0.65mm]  153.94 185.88 270 bottom
